# Altium PCB Audio-Streamer-Mainboard.PcbDoc (part 5 of 7) (continued)
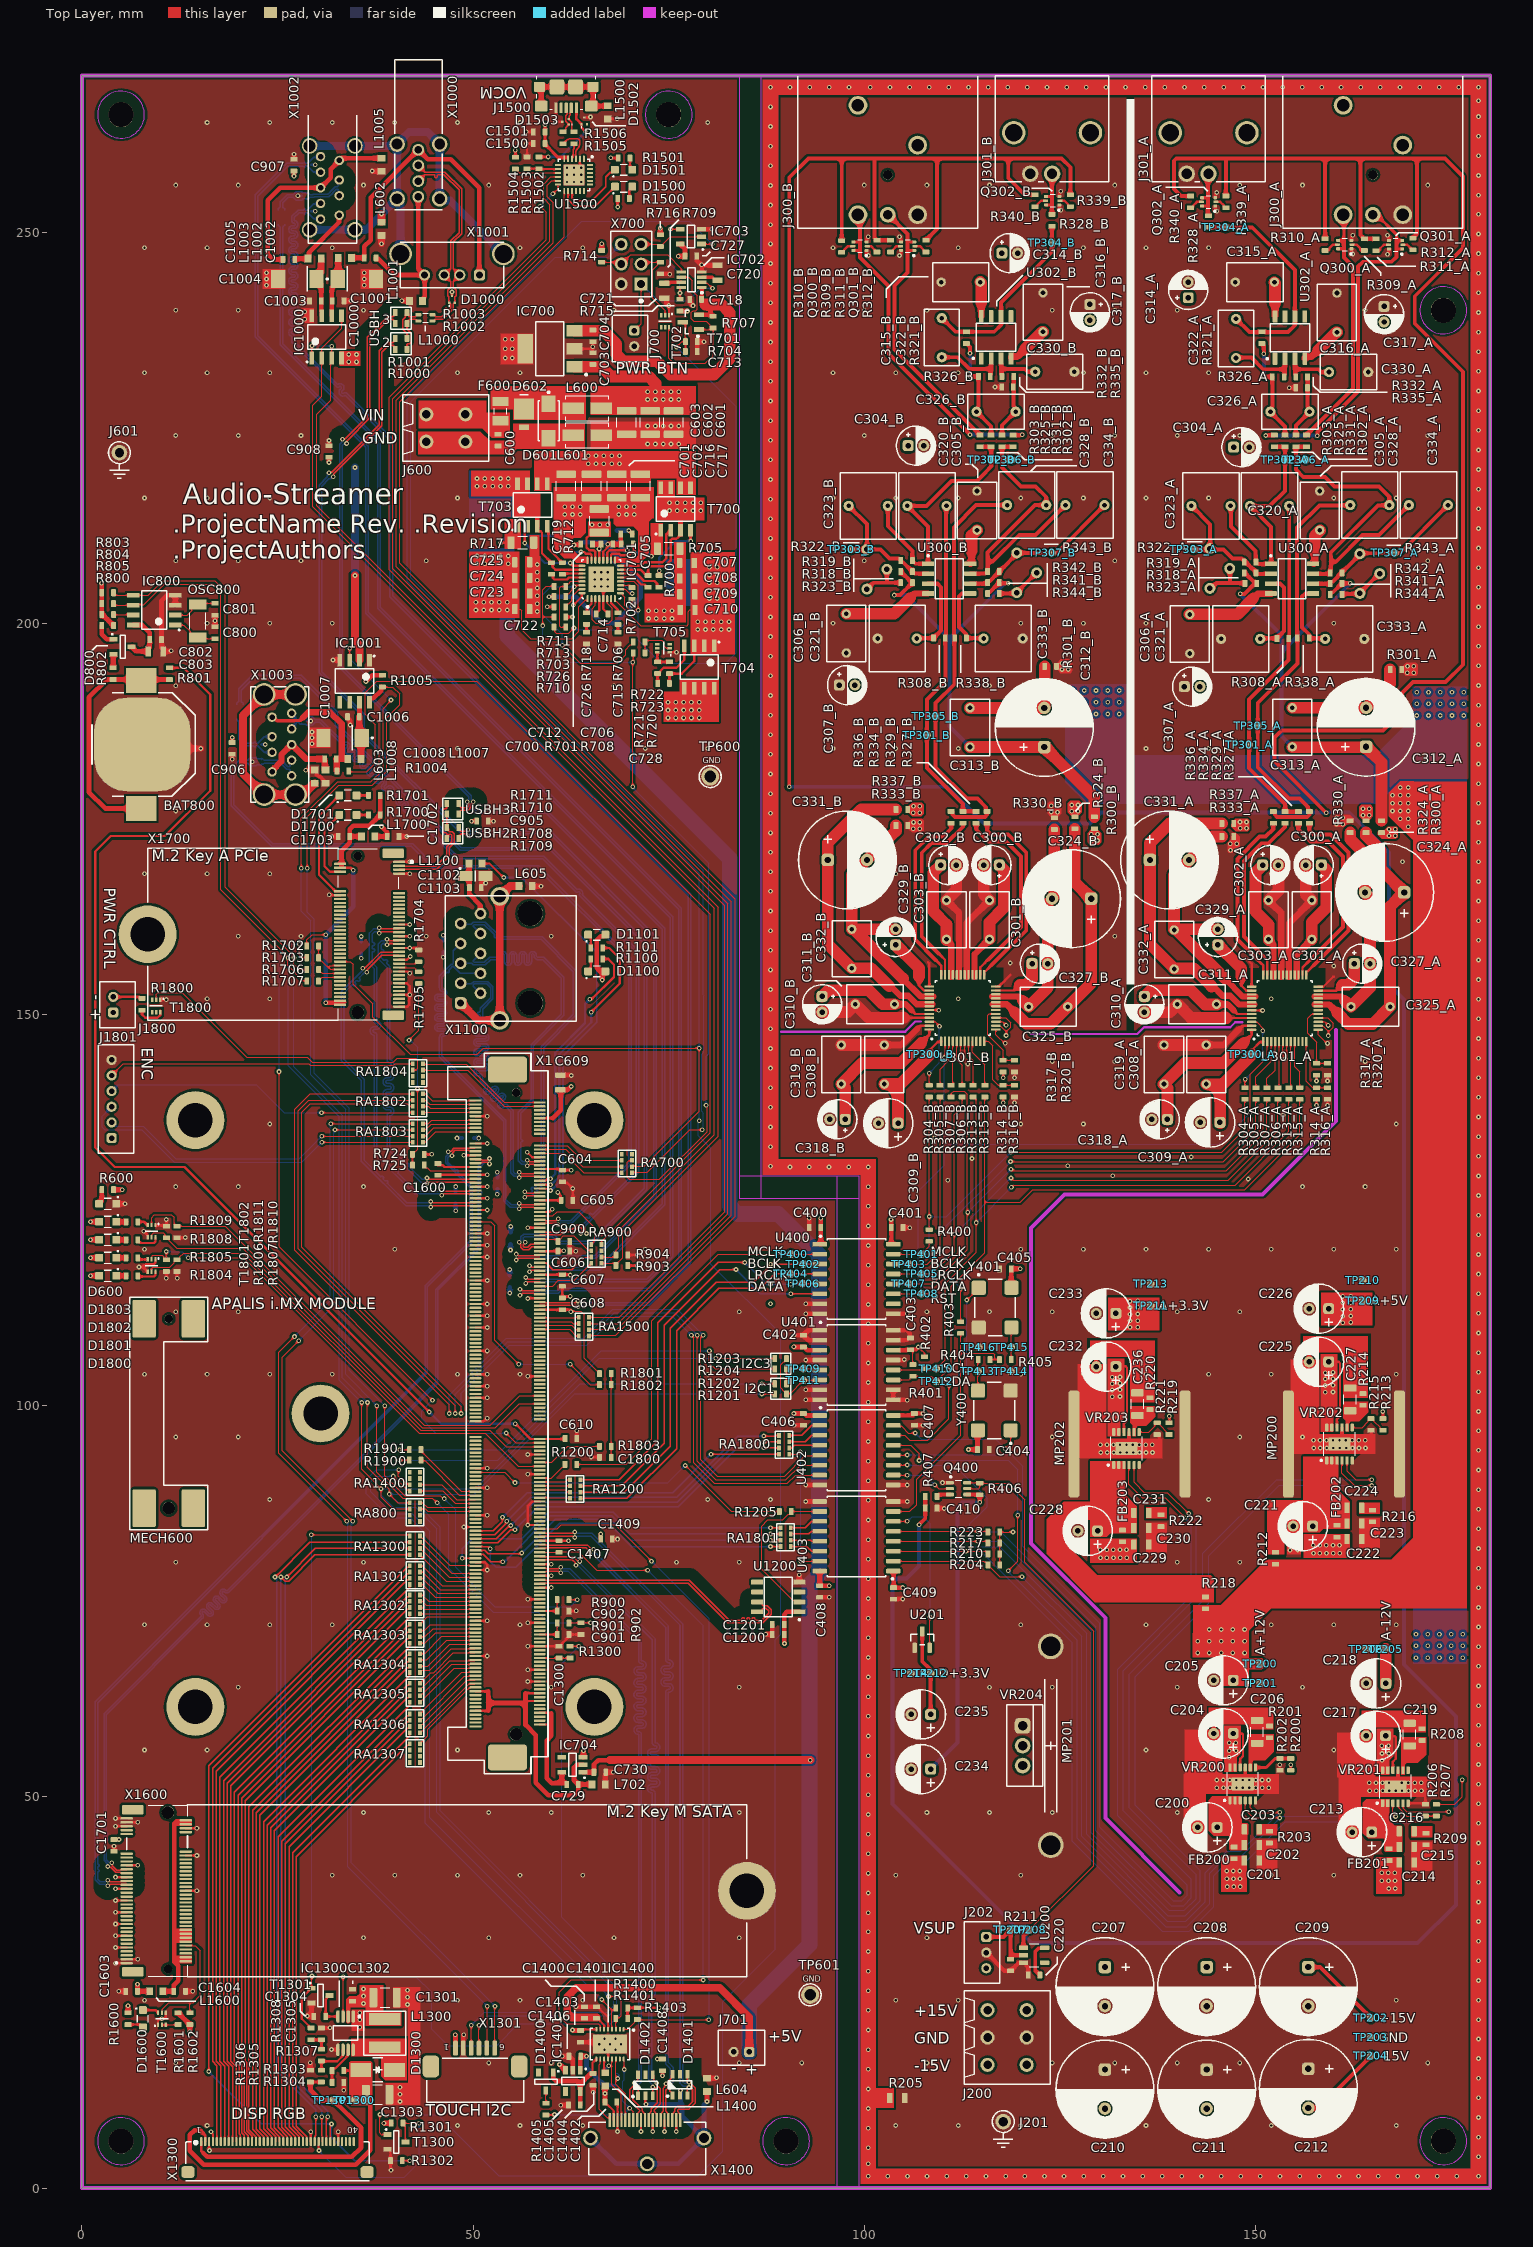
[diagram p0: Top Layer view]
## Nets (pads, with @x,y where several pads share a name; then routed paths per layer and width w, separated by ;. In a path a pad name is that pad's centre, name@x,y a point inside that pad or via, vN(x,y) a via of type N, cw(c..) or ccw(c..) an arc to the next point about the centre after c; other vN are vias at no path point) (continued)
NetIC701_7: IC701.7 R706.2 | length 2.2
  Top Layer w0.3: IC701.7@67.629,203.15 67.629,202.601 68.469,201.761 68.469,201.35 R706.2@68.5,201.35
NetIC701_11: IC701.11 R702.1 | length 1.6
  Top Layer w0.15: IC701.11@68.829,204.85 69.95,204.85 70.2,204.6 R702.1@70.35,204.6
NetIC701_14: IC701.14 R700.1 | length 5.9
  Top Layer w0.3: IC701.14@68.829,206.35 70.9,206.35 71.85,205.4 73.2,205.4 73.516,205.084 73.516,204.75 73.666,204.6 R700.1@73.774,204.6
NetIC701_16: IC701.16 T700.2 | length 10.1
  Top Layer w0.3: IC701.16@68.829,207.35 71.45,207.35 71.9,207.8 74.2,207.8 74.7,208.3 74.7,211.355 T700.2@75.244,211.9
NetIC701_18: IC701.18 R705.1 R708.1 T700.1 | length 7.5
  Top Layer w0.3: IC701.18@67.629,208.05 67.629,208.724 67.805,208.9 68.64,208.9 68.85,208.69 69.948,208.69 70.258,209 v1(70.589,209) 70.589,209.96 R708.1@70.45,210.1 ; R705.1@73.55,209.54 R705.1@73.6,209.49
  Bottom Layer w0.3: v1(70.589,209) 72.295,209 72.719,208.576 v1(72.8,208.576)
NetIC701_23: IC701.23 R717.1 R719.1 T703.1 | length 18.4
  Top Layer w0.3: v1(53.5,210.3) R717.1@54.85,210.3 ; v1(63.8,209.1) 64.2,209.1 64.403,208.897 64.954,208.897 65.129,208.722 IC701.23@65.129,208.05
  Bottom Layer w0.3: v1(53.5,210.3) 54.4,211.2 60.35,211.2 61.075,210.475 ; v1(63.8,209.1) 62.45,209.1 62.1,209.45 61.075,210.475 ; R719.1@63.879,211.85 62.45,211.85 61.075,210.475
NetIC701_25: IC701.25 T703.2 | length 10.8
  Top Layer w0.3: v1(56.6,210.25) 56.6,211.5 56.944,211.844 T703.2@56.944,212.4 ; v1(62.4,207.7) 62.75,207.35 IC701.25@63.929,207.35
  Bottom Layer w0.3: v1(56.6,210.25) 59.15,207.7 v1(62.4,207.7)
NetIC701_27: IC701.27 R712.1 | length 2.6
  Top Layer w0.3: R712.1@61.4,206.25 61.5,206.35 IC701.27@63.929,206.35
NetIC701_31: IC701.31 R703.2 | length 3.4
  Top Layer w0.15: R703.2@61.85,202.1 61.85,202.237 62.075,202.462 62.212,202.462 62.6,202.85 62.6,203.4 63.55,204.35 IC701.31@63.929,204.35
NetIC800_7: IC800.7 R805.1 | length 2.5
  Top Layer w0.15: R805.1@4.05,201.1 6.493,201.1 IC800.7@6.55,201.043
NetJ202_1: J202.1 R211.2 TP207.1 U200.2 | length 8.9
  Top Layer w0.5: J202.1@115.59,32.1 117.79,32.1 TP207.1@118.69,33 118.69,29.76 ; R211.2@118.69,29.26 118.69,29.76 ; U200.2@120.34,29.76 118.69,29.76
NetJ300_A_2: J300_A.2 Q300_A.4 Q300_A.6 R302_A.1 | length 32.9
  Top Layer w0.4: Q300_A.6@160.55,247.857 161.263,247.857 161.3,247.894 ; Q300_A.4@160.55,248.932 161.3,248.932 161.3,252.2 J300_A.2@161.19,252.31
  Top Layer w0.5: R302_A.1@156.4,223.97 R302_A.1@156.4,224.05 ; R302_A.1@156.5,224.05 156.65,224.05 156.7,224.1 156.7,224.25 162.441,229.991 162.441,245.584 161.3,246.724 161.3,247.894 161.3,248.932
NetJ300_A_3: J300_A.3 Q301_A.1 Q301_A.3 R303_A.1 | length 45.4
  Top Layer w0.4: R303_A.1@152.35,224 R303_A.1@152.4,224.05 ; v1(157.9,223.97) v1@157.901,223.971 ; J300_A.3@165,252.31 165.39,252.31 167.999,249.701 167.999,248.912 Q301_A.3@168.749,248.912 ; 167.999,247.874 168.037,247.837 Q301_A.1@168.749,247.837
  Top Layer w0.5: v1(151.3,224) R303_A.1@152.35,224 ; v1@157.901,223.971 157.901,224.441 163.1,229.64 163.1,245.575 163.725,246.2 167.402,246.2 167.999,246.797 167.999,247.874 167.999,248.912
  Bottom Layer w0.4: v1@157.87,224 v1(157.9,223.97)
  Bottom Layer w0.5: v1(151.3,224) v1@157.87,224
NetJ300_B_2: J300_B.2 Q300_B.4 Q300_B.6 R302_B.1 | length 43.8
  Top Layer w0.3: Q300_B.6@98.6,247.66 99.391,247.66 99.45,247.6 ; Q300_B.4@98.6,248.735 99.316,248.735 99.45,248.6
  Top Layer w0.5: J300_B.2@99.19,252.31 99.45,252.05 99.45,248.6 99.45,247.6 99.45,246.75 103.1,243.1 103.1,234.5 v1(113.5,224.1) ; R302_B.1@119,224.05 120.123,224.05 120.173,224.1 v1(120.2,224.1)
  Bottom Layer w0.5: v1(113.5,224.1) v1(120.2,224.1)
NetJ300_B_3: J300_B.3 Q301_B.1 Q301_B.3 R303_B.1 | length 36.4
  Top Layer w0.3: 105.54,247.644 105.556,247.66 Q301_B.1@106.39,247.66 ; 105.54,248.8 105.606,248.735 Q301_B.3@106.39,248.735
  Top Layer w0.5: J300_B.3@103,252.31 105.54,249.77 105.54,248.8 105.54,247.644 105.54,244.83 103.84,243.13 103.84,235.01 114.6,224.25 114.6,224.1 114.65,224.05 R303_B.1@114.8,224.05
NetJ301_A_1: J301_A.1 Q302_A.4 Q302_A.6 R328_A.1 | length 6.7
  Top Layer w0.4: Q302_A.6@143.15,253.312 143.862,253.312 143.9,253.35 ; Q302_A.4@143.15,254.387 143.9,254.387
  Top Layer w0.5: R328_A.1@143.9,252.1 143.9,253.35 143.9,254.387 143.9,257.15 J301_A.1@144,257.25
NetJ301_B_1: J301_B.1 Q302_B.4 Q302_B.6 R328_B.1 | length 6.6
  Top Layer w0.4: Q302_B.6@123.225,253.463 123.937,253.463 123.975,253.5 ; Q302_B.4@123.225,254.537 123.975,254.537
  Top Layer w0.5: J301_B.1@123.74,256.99 J301_B.1@124,257.25 ; R328_B.1@123.975,252.25 123.975,253.5 123.975,254.537 J301_B.1@123.975,256.99
NetJ1500_6: J1500.6 L1500.2 | length 14.1
  Top Layer w0.6: J1500.6@58.7,266.1 58.7,268.325 J1500.6@58.475,268.55 J1500.6@60.7,268.55 J1500.6@63.1,268.55 J1500.6@65.325,268.55 65.325,266.325 J1500.6@65.1,266.1 67.16,266.1 L1500.2@67.2,266.14
NetJ1800_2: J1800.2 R1800.2 | length 3.8
  Top Layer w0.3: J1800.2@4,152.25 7.342,152.25 7.542,152.05 R1800.2@7.692,152.05
NetQ300_A_2: Q300_A.2 R309_A.2 | length 1.7
  Top Layer w0.3: Q300_A.2@162.325,248.394 162.9,248.394 163.35,247.944 163.35,247.794 163.5,247.644 R309_A.2@163.65,247.644
NetQ300_A_5: Q300_A.5 R310_A.2 | length 1.7
  Top Layer w0.3: R310_A.2@159.15,247.644 159.3,247.644 159.45,247.794 159.45,247.944 159.9,248.394 Q300_A.5@160.475,248.394
NetQ300_B_2: Q300_B.2 R309_B.2 | length 1.6
  Top Layer w0.3: Q300_B.2@100.375,248.197 100.86,248.197 101.31,247.747 101.31,247.597 101.46,247.447 R309_B.2@101.61,247.447
NetQ300_B_5: Q300_B.5 R310_B.2 | length 1.8
  Top Layer w0.3: R310_B.2@97.11,247.397 97.26,247.397 97.41,247.547 97.41,247.697 97.91,248.197 Q300_B.5@98.525,248.197
NetQ301_A_2: Q301_A.2 R312_A.2 | length 1.7
  Top Layer w0.3: Q301_A.2@168.824,248.374 169.399,248.374 169.849,247.924 169.849,247.774 169.999,247.624 R312_A.2@170.149,247.624
NetQ301_A_5: Q301_A.5 R311_A.2 | length 1.7
  Top Layer w0.3: R311_A.2@165.649,247.624 165.799,247.624 165.949,247.774 165.949,247.924 166.399,248.374 Q301_A.5@166.974,248.374
NetQ301_B_2: Q301_B.2 R312_B.2 | length 1.8
  Top Layer w0.3: Q301_B.2@106.465,248.197 107.11,248.197 107.56,247.747 107.56,247.597 107.71,247.447 R312_B.2@107.86,247.447
NetQ301_B_5: Q301_B.5 R311_B.2 | length 1.7
  Top Layer w0.3: R311_B.2@103.36,247.447 103.51,247.447 103.66,247.597 103.66,247.747 104.11,248.197 Q301_B.5@104.615,248.197
NetQ302_A_2: Q302_A.2 R339_A.1 | length 1.7
  Top Layer w0.3: Q302_A.2@144.925,253.85 145.5,253.85 145.95,253.4 145.95,253.25 146.1,253.1 R339_A.1@146.25,253.1
NetQ302_A_5: Q302_A.5 R340_A.1 | length 1.7
  Top Layer w0.3: R340_A.1@141.75,253.1 141.9,253.1 142.05,253.25 142.05,253.4 142.5,253.85 Q302_A.5@143.075,253.85
NetQ302_B_2: Q302_B.2 R339_B.1 | length 1.7
  Top Layer w0.3: Q302_B.2@125,254 125.575,254 126.025,253.55 126.025,253.4 126.175,253.25 R339_B.1@126.325,253.25
NetQ302_B_5: Q302_B.5 R340_B.1 | length 1.7
  Top Layer w0.3: R340_B.1@121.825,253.25 121.975,253.25 122.125,253.4 122.125,253.55 122.575,254 Q302_B.5@123.15,254
NetQ400_3: Q400.3 R407.2 | length 1.8
  Top Layer w0.5: R407.2@109.29,88.4 109.29,88.55 109.34,88.6 109.49,88.6 109.54,88.65 Q400.3@110.94,88.65
NetQ400_5: Q400.5 Q400.6 R406.1 TP208.1 U200.1 | length 75.1
  Top Layer w0.15: Q400.5@113.14,89.4 114.6,89.4 114.75,89.55 R406.1@114.75,90.1 ; Q400.6@113.14,90.15 114.7,90.15 R406.1@114.75,90.1 ; TP208.1@121.1,33 129.3,41.2 129.3,71.2 120.5,80 120.5,87.95 118.35,90.1 R406.1@114.75,90.1
  Top Layer w0.5: U200.1@120.34,30.71 120.34,32.24 TP208.1@121.1,33
NetR200_1: R200.1 R202.2 VR200.7 | length 5
  Top Layer w0.4: VR200.7@149.986,53.759 151.359,53.759 152.505,54.905 R202.2@153.1,54.905 R200.1@154.5,54.905
NetR206_2: R206.2 R207.1 VR201.4 | length 5.9
  Top Layer w0.15: VR201.4@168.2,49.194 168.286,49.108 168.286,48.614 169.35,47.55 R206.2@171.7,47.55 R207.1@173.1,47.55
NetR213_1: R213.1 R215.2 VR202.7 | length 5.3
  Top Layer w0.15: VR202.7@162.35,97.206 163.631,97.206 164.413,97.988 164.413,98.125 164.638,98.35 R215.2@164.775,98.35 164.912,98.35 165.137,98.125 165.137,97.988 165.913,97.212 165.913,97.075 166.138,96.85 R213.1@166.275,96.85
NetR219_1: R219.1 R221.2 VR203.7 | length 4.8
  Top Layer w0.15: VR203.7@135.125,96.625 136.355,96.625 137.1,97.37 R221.2@137.1,97.8 ; R221.2@137.8,97.77 137.8,97.47 138.638,96.632 138.638,96.495 138.863,96.27 R219.1@139,96.27
NetR304_A_1: R304_A.1 U301_A.46 | length 10.3
  Top Layer w0.15: R304_A.1@148.65,140.65 148.65,141.65 v1(148.7,141.7) ; U301_A.46@149.5,149.05 149.537,149.013 150.187,149.013 150.931,148.269 v1(150.931,147.9)
  Bottom Layer w0.15: v1(148.7,141.7) 150.931,143.931 v1(150.931,147.9)
NetR304_A_2: R304_A.2 R304_B.2 R400.1 R403.1 | length 80.8
  Top Layer w0.15: R400.1@108.295,122.5 v1(108.295,124.17) 108.295,139.445 R304_B.2@108.3,139.45 ; R403.1@112.319,110.74 v1(112.319,115) ; v1(118.7,132.4) 145.7,132.4 148.65,135.35 R304_A.2@148.65,139.15
  Bottom Layer w0.15: v1(112.319,115) 108.295,119.024 v1(108.295,124.17) 110.47,124.17 v1(118.7,132.4)
NetR304_B_1: R304_B.1 U301_B.46 | length 9.6
  Top Layer w0.15: R304_B.1@108.3,140.95 v1(108.3,142.5) ; U301_B.46@108.319,149.068 108.324,149.063 109.037,149.063 v1(109.6,148.5)
  Bottom Layer w0.15: v1(108.3,142.5) 109.6,143.8 v1(109.6,148.5)
NetR305_A_1: R305_A.1 U301_A.3 | length 6.7
  Top Layer w0.15: R305_A.1@150.05,140.65 150.05,142.05 152,144 U301_A.3@152,146.55
NetR305_B_1: R305_B.1 U301_B.3 | length 6.1
  Top Layer w0.15: R305_B.1@109.7,140.95 109.7,143 110.819,144.119 U301_B.3@110.819,146.568
NetR306_A_1: R306_A.1 U301_A.5 | length 6
  Top Layer w0.15: R306_A.1@152.85,140.65 153,140.8 U301_A.5@153,146.55
NetR306_B_1: R306_B.1 U301_B.5 | length 5.9
  Top Layer w0.15: U301_B.5@111.819,146.568 111.819,144.181 112.5,143.5 R306_B.1@112.5,140.95
NetR307_A_1: R307_A.1 U301_A.4 | length 6.3
  Top Layer w0.15: R307_A.1@151.45,140.65 151.45,141.85 152.5,142.9 U301_A.4@152.5,146.55
NetR307_B_1: R307_B.1 U301_B.4 | length 5.7
  Top Layer w0.15: R307_B.1@111.1,140.95 111.319,141.169 U301_B.4@111.319,146.568
NetR313_A_1: R313_A.1 U301_A.8 | length 6
  Top Layer w0.15: R313_A.1@154.25,140.65 154.275,140.65 154.5,140.875 U301_A.8@154.5,146.55
NetR313_B_1: R313_B.1 U301_B.8 | length 5.9
  Top Layer w0.15: U301_B.8@113.319,146.568 113.319,144.681 113.9,144.1 R313_B.1@113.9,140.95
NetR314_A_1: R314_A.1 R316_A.1 U301_A.12 | length 8.1
  Top Layer w0.15: U301_A.12@156.5,146.55 156.5,141.45 157.3,140.65 R314_A.1@157.8,140.65 R316_A.1@159.2,140.65
NetR314_B_1: R314_B.1 R316_B.1 U301_B.12 | length 8.8
  Top Layer w0.15: U301_B.12@115.319,146.568 115.832,146.568 116.4,146 116.4,141.65 117.1,140.95 R314_B.1@117.75,140.95 R316_B.1@119.2,140.95
NetR315_A_1: R315_A.1 U301_A.9 | length 6.2
  Top Layer w0.15: U301_A.9@155,146.55 155,143.3 155.65,142.65 R315_A.1@155.65,140.65
NetR315_B_1: R315_B.1 U301_B.9 | length 6.3
  Top Layer w0.15: U301_B.9@113.819,146.568 113.819,145.181 115.4,143.6 R315_B.1@115.4,140.95
NetR317_A_1: R317_A.1 R320_A.1 U301_A.17 | length 9.3
  Top Layer w0.15: U301_A.17@158,150.05 157.175,150.05 157.1,149.975 157.1,149.95 156.65,149.5 156.65,147.582 157.8,146.431 R317_A.1@157.8,143.75 R320_A.1@159.2,143.75 R320_A.1@159.325,143.75
NetR317_B_1: R317_B.1 R320_B.1 U301_B.17 | length 9.1
  Top Layer w0.15: U301_B.17@116.819,150.068 115.968,150.068 115.8,149.9 115.8,147.4 117.75,145.45 R317_B.1@117.75,144.15 R320_B.1@119.2,144.15
NetR322_A_2: R322_A.2 R322_A.3 R323_A.1 | length 6.4
  Top Layer w0.5: R322_A.3@144.2,204.32 145.02,205.14 146.66,205.14 ; R322_A.2@146.74,206.86 146.74,205.22 146.66,205.14 ; R323_A.1@148.51,205.14 146.66,205.14
NetR322_B_2: R322_B.2 R322_B.3 R323_B.1 | length 6.4
  Top Layer w0.5: R322_B.3@100.34,204.36 101.16,205.18 102.8,205.18 ; R322_B.2@102.88,206.9 102.88,205.26 102.8,205.18 ; R323_B.1@104.65,205.18 102.8,205.18
NetR327_A_2: R327_A.2 U301_A.25 | length 25.1
  Top Layer w0.3: U301_A.25@156.5,155.05 156.5,155.5 156.65,155.5 157.456,156.307
  Top Layer w0.5: R327_A.2@156.881,174.432 156.881,173.482 157.381,172.982 159.581,172.982 161.881,170.682 161.881,160.732 157.456,156.307
NetR327_B_2: R327_B.2 U301_B.25 | length 25.1
  Top Layer w0.3: U301_B.25@115.319,155.068 115.319,155.518 115.468,155.518 116.275,156.325
  Top Layer w0.5: R327_B.2@115.7,174.45 115.7,173.5 116.2,173 118.4,173 120.7,170.7 120.7,160.75 116.275,156.325
NetR329_A_2: R329_A.2 U301_A.26 | length 25.2
  Top Layer w0.3: U301_A.26@156,155.05 156,156.01 156.01,156.01 157.031,157.032
  Top Layer w0.5: R329_A.2@155.481,174.432 155.481,173.632 157.031,172.082 159.281,172.082 161.181,170.182 161.181,161.182 157.031,157.032
NetR329_B_2: R329_B.2 U301_B.26 | length 25.2
  Top Layer w0.3: U301_B.26@114.819,155.068 114.819,156.029 114.829,156.029 115.85,157.05
  Top Layer w0.5: R329_B.2@114.3,174.45 114.3,173.65 115.85,172.1 118.1,172.1 120,170.2 120,161.2 115.85,157.05
NetR334_A_2: R334_A.2 U301_A.35 | length 23.3
  Top Layer w0.3: 150.681,157.782 151.5,156.963 U301_A.35@151.5,155.05
  Top Layer w0.5: 150.681,157.782 148.521,159.942 148.521,169.621 150.782,171.882 151.681,171.882 153.771,173.972 R334_A.2@153.771,174.432
NetR334_B_2: R334_B.2 U301_B.35 | length 23.9
  Top Layer w0.3: 109.5,157.8 110.319,156.981 U301_B.35@110.319,155.068
  Top Layer w0.5: 109.5,157.8 107.34,159.96 107.34,170.665 108.575,171.9 110.5,171.9 112.59,173.99 R334_B.2@112.59,174.45
NetR336_A_2: R336_A.2 U301_A.36 | length 23.1
  Top Layer w0.3: 150.281,156.963 151,156.244 U301_A.36@151,155.05
  Top Layer w0.5: 150.281,156.963 147.688,159.556 147.688,169.888 150.532,172.732 151.281,172.732 152.271,173.722 R336_A.2@152.271,174.432
NetR336_B_2: R336_B.2 U301_B.36 | length 23.7
  Top Layer w0.3: 109.1,156.981 109.819,156.262 U301_B.36@109.819,155.068
  Top Layer w0.5: 109.1,156.981 106.507,159.574 106.507,170.982 108.275,172.75 110.1,172.75 111.09,173.74 R336_B.2@111.09,174.45
NetR343_A_2: R343_A.2 R343_A.3 R344_A.1 | length 5.9
  Top Layer w0.5: R344_A.1@161.11,203.764 163.234,203.764 163.34,203.87 R343_A.2@165.88,206.41
NetR343_B_2: R343_B.2 R343_B.3 R344_B.1 | length 5.9
  Top Layer w0.5: R344_B.1@117.25,203.804 119.374,203.804 R343_B.3@119.48,203.91 R343_B.2@122.02,206.45
NetR403_2: R403.2 R404.2 R405.2 U403.7 | length 33.8
  Top Layer w0.15: U403.7@103.7,86.48 105.83,86.48 106.7,87.35 106.7,90.6 112.319,96.219 112.319,106.7 ; R403.2@112.319,109.24 112.319,106.7 ; R404.2@116.069,105.89 116.672,105.89 ; R405.2@117.274,105.89 116.672,105.89 ; 112.319,106.7 116.5,106.7 116.672,106.528 116.672,105.89
NetR404_1: R404.1 TP413.1 Y400.3 | length 4
  Top Layer w0.15: Y400.3@114.518,101.93 TP413.1@114.518,104.39 114.518,105.839 R404.1@114.569,105.89
NetR405_1: R405.1 TP415.1 Y401.3 | length 4.1
  Top Layer w0.15: R405.1@118.774,105.89 118.774,109.949 Y401.3@118.815,109.99
NetR700_2: R700.2 T700.4 | length 8.6
  Top Layer w0.3: R700.2@73.774,206.1 73.787,206.113 73.787,206.687 v1(73.8,206.7) ; T700.4@77.784,211.9 77.784,210.516 v1(77.8,210.5)
  Bottom Layer w0.3: v1(73.8,206.7) 73.8,208.4 75.9,210.5 v1(77.8,210.5)
NetR712_2: R712.2 T703.4 | length 5.4
  Top Layer w0.3: T703.4@59.484,212.4 59.484,211.982 59.634,211.832 59.634,209.515 R712.2@61.4,207.75
NetR1200_1: R1200.1 X1.194 | length 4.1
  Top Layer w0.15: X1.194@58.5,90.75 60,90.75 61.388,92.138 61.525,92.138 61.75,92.363 R1200.1@61.75,92.5
NetR1200_2: R1200.2 TP400.1 U400.2 | length 51
  Top Layer w0.15: R1200.2@63.25,92.5 69.55,92.5 72.81,95.76 72.81,110.84 81.34,119.37 TP400.1@90.6,119.37 U400.2@94.3,119.37
NetR1201_1: R1201.1 R1203.1 TP411.1 U401.6 | length 10.3
  Top Layer w0.15: R1203.1@90.05,106 90.05,105.863 89.825,105.638 89.688,105.638 89.3,105.25 89.3,102.265 89.703,101.862 89.84,101.862 90.065,101.637 R1201.1@90.065,101.5 90.117,101.552 90.502,101.552 TP411.1@92.2,103.25 94.26,103.25 U401.6@94.3,103.29
NetR1202_1: R1202.1 R1204.1 TP409.1 U401.5 | length 6.2
  Top Layer w0.15: R1202.1@90.065,102.8 90.065,104.685 R1204.1@90.05,104.7 94.16,104.7 U401.5@94.3,104.56
NetR1203_2: R1203.2 R1900.2 | length 54.6
  Top Layer w0.15: v1(40.6,93.04) R1900.2@41.85,93.04 ; v1(81,106.05) 88.5,106.05 R1203.2@88.55,106
  Bottom Layer w0.15: v1(40.6,93.04) 53.133,93.04 66.143,106.05 v1(81,106.05)
NetR1204_2: R1204.2 R1901.2 | length 56.3
  Top Layer w0.15: v1(40.6,94.37) R1901.2@41.85,94.37 ; v1(80.2,107) 80.2,105.427 80.927,104.7 R1204.2@88.55,104.7
  Bottom Layer w0.15: v1(40.6,94.37) 53.744,94.37 66.374,107 v1(80.2,107)
NetR1205_1: R1205.1 U403.10 U1200.2 | length 20.4
  Top Layer w0.15: U1200.2@91.7,74.915 91.495,75.12 90.856,75.12 86.867,79.109 86.867,84.6 87.667,85.4 89.57,85.4 90.288,86.118 90.425,86.118 90.65,86.343 R1205.1@90.65,86.48 U403.10@94.3,86.48
NetR1502_1: R1502.1 R1503.2 U1500.8 | length 4
  Top Layer w0.25: R1503.2@56.9,258.1 R1502.1@58.4,258.1 58.45,258.05 U1500.8@60.85,258.05
NetR1504_1: R1504.1 U1500.9 | length 5.7
  Top Layer w0.15: R1504.1@55.4,258.05 55.537,258.05 55.762,257.825 55.762,257.688 55.9,257.55 U1500.9@60.85,257.55
NetR1704_2: R1704.2 X1700.53 | length 2.6
  Top Layer w0.15: X1700.53@40.55,156.5 42.65,156.5 42.9,156.75 R1704.2@43.05,156.75
NetR1800_1: R1800.1 T1800.6 | length 3.8
  Top Layer w0.3: R1800.1@7.692,150.55 7.692,149.976 8.1,149.568 9.668,149.568 10,149.9 T1800.6@10,150.51
NetR1804_1: R1804.1 T1801.6 | length 2.8
  Top Layer w0.3: R1804.1@7.15,116.6 7.25,116.5 9.2,116.5 9.4,116.7 T1801.6@9.4,117.11
NetR1805_1: R1805.1 T1801.3 | length 1.4
  Top Layer w0.3: R1805.1@7.15,118.9 7.15,118.84 7.3,118.69 T1801.3@8.4,118.69
NetR1808_2: R1808.2 T1802.6 | length 3
  Top Layer w0.3: R1808.2@7.15,121.2 7.15,121.05 7.3,120.9 7.45,120.9 7.55,120.8 9.2,120.8 9.4,121 T1802.6@9.4,121.46
NetR1809_2: R1809.2 T1802.3 | length 1.5
  Top Layer w0.3: R1809.2@7.15,123.5 7.94,123.5 8.265,123.175 8.4,123.175 T1802.3@8.4,123.04
NetRA1200_1: RA1200.1 X1.196 | length 4
  Top Layer w0.15: X1.196@58.5,90.25 61.775,90.25 62.075,90.55 RA1200.1@62.4,90.55
NetRA1200_2: RA1200.2 X1.198 | length 3.9
  Top Layer w0.15: X1.198@58.5,89.75 RA1200.2@62.4,89.75
NetRA1200_3: RA1200.3 X1.200 | length 4
  Top Layer w0.15: X1.200@58.5,89.25 61.775,89.25 62.075,88.95 RA1200.3@62.4,88.95
NetRA1200_4: RA1200.4 X1.204 | length 3.9
  Top Layer w0.15: X1.204@58.5,88.25 61.975,88.25 62.075,88.15 RA1200.4@62.4,88.15
NetRA1200_5: RA1200.5 TP406.1 U400.5 | length 52.1
  Top Layer w0.165: RA1200.5@63.7,90.55 68.65,90.55 73.6,95.5 73.6,110.582 81.318,118.3 v1(84.7,118.3) ; v1(90.6,115.5) 90.66,115.56 U400.5@94.3,115.56
  Bottom Layer w0.165: v1(84.7,118.3) 87.5,115.5 v1(90.6,115.5)
  other v1: 88,115.544
NetRA1200_6: RA1200.6 U400.6 | length 52.2
  Top Layer w0.165: RA1200.6@63.7,89.75 68.981,89.75 74.4,95.169 74.4,110.251 81.547,117.398 v1(83.6,117.4) ; v1(90.6,114.29) U400.6@94.3,114.29
  Bottom Layer w0.165: v1(83.6,117.4) 86.71,114.29 v1(90.6,114.29)
NetRA1200_7: RA1200.7 TP402.1 U400.3 | length 51.5
  Top Layer w0.165: RA1200.7@63.7,88.95 69.313,88.95 75.2,94.837 75.2,109.92 81.08,115.8 85.899,115.8 88.199,118.1 TP402.1@92.2,118.1 U400.3@94.3,118.1
  other v1: 88,118.053
NetRA1200_8: RA1200.8 TP404.1 U400.4 | length 51.3
  Top Layer w0.165: RA1200.8@63.7,88.15 69.644,88.15 76,94.506 76,109.588 81.412,115 86.7,115 88.53,116.83 TP404.1@90.6,116.83 U400.4@94.3,116.83
NetRA1800_5: RA1800.5 U402.2 | length 4.4
  Top Layer w0.165: RA1800.5@90.4,96.2 91.988,96.2 93.268,97.48 U402.2@94.3,97.48
NetRA1800_6: RA1800.6 U402.3 | length 4.2
  Top Layer w0.165: RA1800.6@90.4,95.4 92.458,95.4 93.268,96.21 U402.3@94.3,96.21
NetRA1800_7: RA1800.7 U402.4 | length 4
  Top Layer w0.165: RA1800.7@90.4,94.6 90.732,94.6 91.072,94.94 U402.4@94.3,94.94
NetRA1800_8: RA1800.8 U403.15 | length 18
  Top Layer w0.15: RA1800.8@90.4,93.8 91.487,93.8 91.787,94.1 v1(91.8,94.1) ; v1(91.856,80.13) U403.15@94.3,80.13
  Bottom Layer w0.15: v1(91.8,94.1) 91.856,94.044 v1(91.856,80.13)
NetRA1801_5: RA1801.5 U403.11 | length 4
  Top Layer w0.165: RA1801.5@90.6,84.4 92.458,84.4 93.268,85.21 U403.11@94.3,85.21
NetRA1801_6: RA1801.6 U403.12 | length 3.8
  Top Layer w0.165: RA1801.6@90.6,83.6 92.928,83.6 93.268,83.94 U403.12@94.3,83.94
NetRA1801_7: RA1801.7 U403.13 | length 3.8
  Top Layer w0.165: RA1801.7@90.6,82.8 93.137,82.8 93.268,82.67 U403.13@94.3,82.67
NetRA1801_8: RA1801.8 U403.14 | length 3.9
  Top Layer w0.165: RA1801.8@90.6,82 92.667,82 93.268,81.4 U403.14@94.3,81.4
NetRA1802_6: RA1802.6 U402.7 | length 132.9
  Top Layer w0.15: RA1802.6@42.28,138.25 41.955,138.25 41.605,138.6 29.2,138.6 28.1,137.5 28.1,120.241 48.464,99.876 v1(48.464,99) ; v1(77.9,109) 78.2,108.7 78.2,92.707 80.827,90.08 90.173,90.08 91.223,91.13 U402.7@94.3,91.13
  Bottom Layer w0.15: v1(48.464,99) 48.464,101.564 54.6,107.7 64.5,107.7 68.24,111.44 75.46,111.44 v1(77.9,109)
NetRA1802_7: RA1802.7 U402.6 | length 134.6
  Top Layer w0.15: RA1802.7@42.28,139.05 29.014,139.05 27.65,137.686 27.65,120.054 47.714,99.99 v1(47.714,99) ; v1(78.65,109) 78.65,92.894 81.014,90.53 89.986,90.53 91.856,92.4 U402.6@94.3,92.4
  Bottom Layer w0.15: v1(47.714,99) 47.714,101.451 54.414,108.15 64.314,108.15 68.054,111.89 75.76,111.89 v1(78.65,109)
PCIE1_CLK_N: X1.53 X1700.49 | length 49.6
  Top Layer w0.198: v1(36.4,155.407) 36.477,155.484 36.477,155.726 38.322,157.571 39.678,157.571 39.698,157.551 40.499,157.551 X1700.49@40.55,157.5 ; v1(44.6,126.1) 44.709,126.1 44.88,125.929 46.402,125.929 49.409,125.929 49.429,125.949 50.249,125.949 X1.53@50.3,126
  Bottom Layer w0.198: v1(36.4,155.407) 36.323,155.33 36.081,155.33 35.551,154.8 35.494,154.743 ccw(c35.577,154.66) 35.494,154.577 cw(c35.354,154.437) 35.494,154.297 cw(c35.354,154.437) 35.214,154.297 ccw(c35.131,154.214) 35.048,154.297 34.934,154.183 ccw(c35.017,154.1) 34.934,154.017 cw(c34.794,153.877) 34.934,153.737 cw(c34.794,153.877) 34.654,153.737 ccw(c34.571,153.654) 34.488,153.737 34.291,153.54 34.075,153.325 33.5,152.749 33.5,144.265 36.058,141.707 36.058,131.398 38.056,129.4 38.196,129.26 38.208,129.272 cw(c38.348,129.132) 38.488,129.272 cw(c38.348,129.132) 38.488,128.992 38.476,128.98 38.756,128.7 38.768,128.712 cw(c38.908,128.572) 39.048,128.712 cw(c38.908,128.572) 39.048,128.432 39.036,128.42 39.178,128.278 41.527,125.929 44.32,125.929 44.491,126.1 v1(44.6,126.1)
PCIE1_CLK_P: X1.55 X1700.47 | length 49.5
  Top Layer w0.198: v1(35.905,155.902) 35.982,155.979 36.224,155.979 38.174,157.929 39.678,157.929 39.698,157.949 40.499,157.949 X1700.47@40.55,158 ; v1(44.6,125.4) 44.709,125.4 44.88,125.571 46.253,125.571 49.409,125.571 49.429,125.551 50.249,125.551 X1.55@50.3,125.5
  Bottom Layer w0.198: v1(35.905,155.902) 35.828,155.825 35.828,155.583 33.142,152.897 33.142,144.117 35.7,141.559 35.7,131.25 41.379,125.571 44.32,125.571 44.491,125.4 v1(44.6,125.4)
PCIE1_RX_N: X1.41 X1700.43 | length 49.1
  Top Layer w0.198: v1(39,158.9) 39.109,158.9 39.28,159.071 39.678,159.071 39.698,159.051 40.499,159.051 X1700.43@40.55,159 ; v1(44.1,129.1) 44.209,129.1 44.38,128.929 49.409,128.929 49.429,128.949 50.249,128.949 X1.41@50.3,129
  Bottom Layer w0.198: v1(39,158.9) 38.891,158.9 38.72,159.071 38.435,159.071 38.258,158.894 38.258,158.5 38.258,158.42 ccw(c38.376,158.42) 38.376,158.302 cw(c38.376,158.104) 38.574,158.104 cw(c38.376,158.104) 38.376,157.906 ccw(c38.376,157.788) 38.258,157.788 38.258,157.51 38.258,157.242 38.3,157.2 38.5,157 38.557,156.943 ccw(c38.64,157.026) 38.723,156.943 cw(c38.863,156.803) 39.003,156.943 cw(c38.863,156.803) 39.003,156.663 ccw(c39.086,156.58) 39.003,156.497 39.15,156.35 39.358,156.142 39.358,144.201 cw(c39.318,143.646) 39.874,143.646 cw(c39.318,143.646) 39.318,143.09 39.04,143.09 ccw(c39.04,142.892) 39.04,142.694 39.318,142.694 cw(c39.318,142.138) 39.874,142.138 cw(c39.318,142.138) 39.318,141.582 39.04,141.582 ccw(c39.04,141.384) 39.04,141.186 39.318,141.186 cw(c39.318,140.63) 39.874,140.63 cw(c39.318,140.63) 39.318,140.074 39.04,140.074 ccw(c39.04,139.876) 39.04,139.678 39.318,139.678 cw(c39.318,139.122) 39.874,139.122 cw(c39.318,139.122) 39.318,138.566 39.04,138.566 ccw(c39.04,138.368) 39.04,138.17 39.318,138.17 cw(c39.318,137.614) 39.874,137.614 cw(c39.318,137.614) 39.358,137.06 39.358,133.04 40.8,131.598 40.94,131.458 40.952,131.471 cw(c41.092,131.331) 41.232,131.471 cw(c41.092,131.331) 41.232,131.191 41.22,131.178 41.5,130.898 41.512,130.911 cw(c41.652,130.771) 41.792,130.911 cw(c41.652,130.771) 41.792,130.631 41.78,130.618 42.06,130.338 42.2,130.198 43.469,128.929 43.82,128.929 43.991,129.1 v1(44.1,129.1)
PCIE1_RX_P: X1.43 X1700.41 | length 49.1
  Top Layer w0.198: v1(39,159.6) 39.109,159.6 39.28,159.429 39.678,159.429 39.698,159.449 40.499,159.449 X1700.41@40.55,159.5 ; v1(44.1,128.4) 44.209,128.4 44.38,128.571 49.409,128.571 49.429,128.551 50.249,128.551 X1.43@50.3,128.5
  Bottom Layer w0.198: v1(39,159.6) 38.891,159.6 38.72,159.429 38.287,159.429 37.9,159.042 37.9,157.094 39,155.994 39,144.162 ccw(c39.318,144.162) 39.318,143.844 cw(c39.318,143.646) 39.516,143.646 cw(c39.318,143.646) 39.318,143.448 39.04,143.448 ccw(c39.04,142.892) 39.04,142.336 39.318,142.336 cw(c39.318,142.138) 39.516,142.138 cw(c39.318,142.138) 39.318,141.94 39.04,141.94 ccw(c39.04,141.384) 39.04,140.828 39.318,140.828 cw(c39.318,140.63) 39.516,140.63 cw(c39.318,140.63) 39.318,140.432 39.04,140.432 ccw(c39.04,139.876) 39.04,139.32 39.318,139.32 cw(c39.318,139.122) 39.516,139.122 cw(c39.318,139.122) 39.318,138.924 39.04,138.924 ccw(c39.04,138.368) 39.04,137.812 39.318,137.812 cw(c39.318,137.614) 39.516,137.614 cw(c39.318,137.614) 39.318,137.416 ccw(c39.318,137.099) 39,137.099 39,132.892 43.321,128.571 43.82,128.571 43.991,128.4 v1(44.1,128.4)
PCIE1_SMCLK: R1707.2 X1700.60 | length 3
  Top Layer w0.15: R1707.2@30.25,154.25 30.25,154.387 30.475,154.612 30.612,154.612 30.75,154.75 X1700.60@33,154.75
PCIE1_SMDAT: R1706.2 X1700.58 | length 3
  Top Layer w0.15: R1706.2@30.25,155.75 30.25,155.613 30.475,155.388 30.612,155.388 30.75,155.25 X1700.58@33,155.25
PCIE1_TX_N: X1.47 X1700.37 | length 49.2
  Top Layer w0.198: v1(38,160.4) 38.109,160.4 38.28,160.571 38.818,160.571 39.678,160.571 39.698,160.551 40.499,160.551 X1700.37@40.55,160.5 ; v1(46,127.6) 46.109,127.6 46.28,127.429 49.409,127.429 49.429,127.449 50.249,127.449 X1.47@50.3,127.5
  Bottom Layer w0.198: v1(38,160.4) 37.891,160.4 37.72,160.571 37.403,160.571 37.1,160.268 37.1,159.4 37.1,159.32 ccw(c37.218,159.32) 37.218,159.202 cw(c37.218,159.004) 37.416,159.004 cw(c37.218,159.004) 37.218,158.806 ccw(c37.218,158.688) 37.1,158.688 37.1,158.528 ccw(c37.218,158.528) 37.218,158.41 cw(c37.218,158.212) 37.416,158.212 cw(c37.218,158.212) 37.218,158.014 ccw(c37.218,157.896) 37.1,157.896 37.1,157.618 37.1,157.5 37.1,156.609 37.7,156.009 37.7,149.199 cw(c37.644,148.646) 38.2,148.646 cw(c37.644,148.646) 37.644,148.09 37.398,148.09 ccw(c37.398,147.892) 37.398,147.694 cw(c37.398,147.392) 37.7,147.392 37.7,132.391 39.4,130.691 39.54,130.551 39.552,130.563 cw(c39.692,130.423) 39.832,130.563 cw(c39.692,130.423) 39.832,130.283 39.82,130.271 40.1,129.991 40.112,130.003 cw(c40.252,129.863) 40.392,130.003 cw(c40.252,129.863) 40.392,129.723 40.38,129.711 40.545,129.545 42.662,127.429 45.72,127.429 45.891,127.6 v1(46,127.6)
PCIE1_TX_P: X1.49 X1700.35 | length 49.1
  Top Layer w0.198: v1(38,161.1) 38.109,161.1 38.28,160.929 38.966,160.929 39.678,160.929 39.698,160.949 40.499,160.949 X1700.35@40.55,161 ; v1(46,126.9) 46.109,126.9 46.28,127.071 49.409,127.071 49.429,127.051 50.249,127.051 X1.49@50.3,127
  Bottom Layer w0.198: v1(38,161.1) 37.891,161.1 37.72,160.929 37.255,160.929 36.742,160.416 36.742,156.461 37.342,155.861 37.342,149.146 ccw(c37.644,149.146) 37.644,148.844 cw(c37.644,148.646) 37.842,148.646 cw(c37.644,148.646) 37.644,148.448 37.398,148.448 ccw(c37.398,147.892) 37.342,147.339 37.342,132.242 42.513,127.071 45.72,127.071 45.891,126.9 v1(46,126.9)
PCIE1_WAKE#: R1705.2 X1700.55 | length 2.8
  Top Layer w0.15: X1700.55@40.55,156 42.5,156 42.688,155.812 42.688,155.675 42.913,155.45 R1705.2@43.05,155.45